# KiCad board LR312.kicad_pcb (continued)
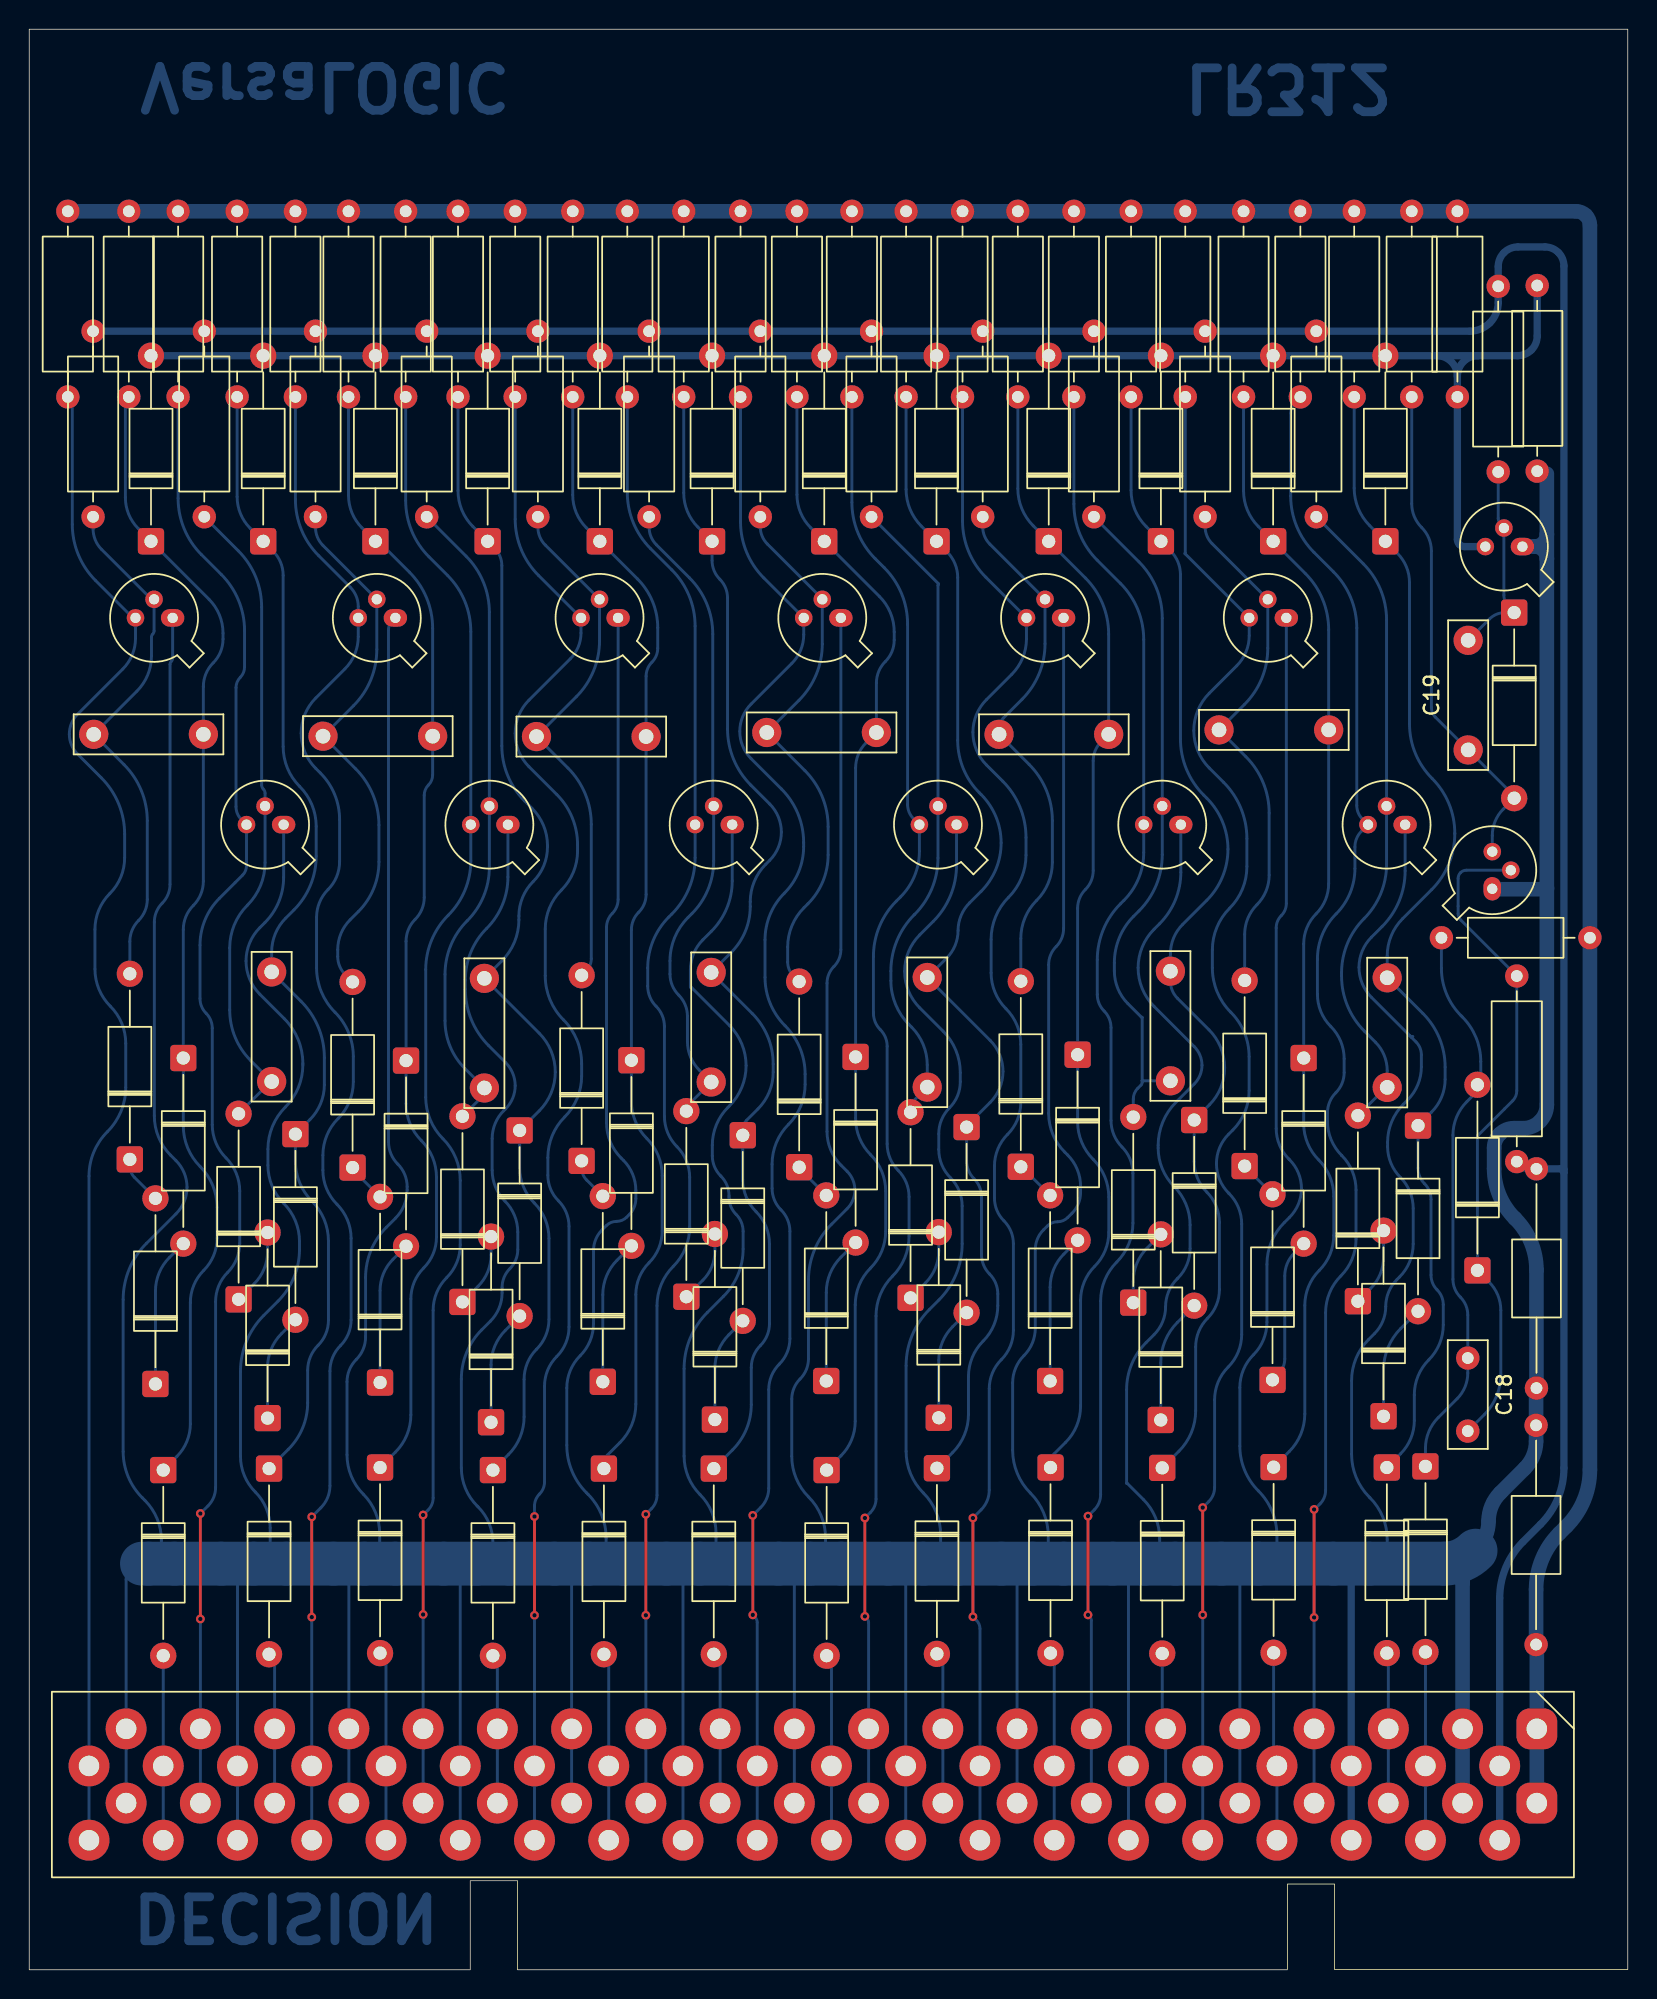
[diagram p0: board, top side]
## Routing (per net, layer and track width the routed paths; a pad name or vN(x,y) marks a point on that pad's centre or on a via; arc(x,y) is an arc through that point)
+6V: length 218.4
  Bottom w0.5: 105,54.56 105,34.33 arc(104.59,32.25) 103.41,30.49 102.2,29.28 arc(101.02,27.51) 100.61,25.43 J1.2 J1.2 ; 105,54.56 105,54.76 ; 105,54.56 arc(104.99,54.65) 104.93,54.73 ; R2.1 R14.1 R5.1 R17.1 R20.1 R23.1 R26.1 R29.1 R32.1 R35.1 R38.1 R41.1 98.56,112.12 arc(99.3,112.26) 99.94,112.69 arc(100.36,113.32) 100.51,114.07 R48.1 100.51,116.54 arc(100.61,117.05) 100.9,117.49 arc(101.34,117.78) 101.85,117.88 103.7,117.88 arc(104.2,117.78) 104.62,117.5 arc(104.9,117.08) 105,116.58 105,54.76 ; 105,54.76 arc(104.98,54.72) 104.93,54.73 ; R45.2 102.02,55.05 arc(102.3,54.87) 102.62,54.8 104.76,54.8 arc(104.86,54.78) 104.93,54.73
-12V: length 213.7
  Bottom w1: J1.1 J1.1 103.15,22.16 arc(103.14,22.2) 103.12,22.22 arc(103.11,22.25) 103.1,22.29 103.1,26.02 arc(103.51,28.1) 104.69,29.86 105.19,30.36 arc(106.37,32.12) 106.78,34.21 R44.1 106.78,119.37 arc(106.71,119.73) 106.5,120.04 arc(106.19,120.25) 105.83,120.32 R49.1 R46.2 R40.2 R42.2 R37.2 R39.2 R34.2 R36.2 R31.2 R33.2 R28.2 R30.2 R25.2 R27.2 R22.2 R24.2 R19.2 R21.2 R16.2 R18.2 R4.2 R6.2 R13.2 R15.2 R3.2 R1.2
GND: length 1163.5
  Bottom w0.2: Q7.1 55.53,69.79 arc(55.41,69.17) 55.06,68.65 arc(54.71,68.12) 54.58,67.5 54.58,57.35 arc(54.83,56.11) 55.54,55.05 55.96,54.63 arc(56.35,54.04) 56.49,53.35 arc(56.35,52.66) 55.96,52.07 54.9,51.02 arc(53.73,49.26) 53.31,47.18 53.31,41.8 arc(53.17,41.06) 52.74,40.42 arc(52.32,39.79) 52.17,39.04 52.17,35.14 arc(52.47,33.63) 53.33,32.35 arc(54.18,31.07) 54.48,29.56 54.48,28.85 arc(54.8,28.1) 55.55,27.79 ; 94.46,63.91 91.84,66.53 arc(91.2,67.48) 90.98,68.59 arc(91.2,69.71) 91.84,70.65 92.56,71.38 arc(93.73,73.13) 94.14,75.19 Q12.1 ; 94.46,63.91 94.57,63.8 ; 94.46,63.91 arc(94.52,63.87) 94.59,63.86 ; Q2.1 17.41,74.75 arc(17.07,73.07) 16.12,71.64 15.78,71.3 arc(15.08,70.26) 14.83,69.02 arc(15.08,67.79) 15.78,66.75 17.45,65.07 arc(18.39,63.67) 18.72,62.01 18.72,61.91 arc(18.41,60.35) 17.53,59.03 arc(16.64,57.71) 16.33,56.15 16.33,55.04 arc(16.61,53.63) 17.41,52.44 arc(18.21,51.24) 18.49,49.83 18.49,49.29 arc(18.11,47.38) 17.03,45.75 16.05,44.77 arc(14.87,43.01) 14.45,40.93 14.45,35.14 arc(14.72,33.82) 15.47,32.69 arc(16.22,31.56) 16.48,30.24 16.48,28.91 arc(16.81,28.11) 17.6,27.79 ; Q11.1 86.01,72.96 arc(85.92,72.51) 85.66,72.13 arc(85.41,71.74) 85.32,71.29 85.32,57.56 arc(85.54,56.43) 86.18,55.47 86.23,55.43 arc(86.83,54.52) 87.05,53.45 arc(86.83,52.39) 86.23,51.48 85.86,51.12 arc(84.99,49.81) 84.68,48.27 84.68,44.31 arc(84.44,43.1) 83.76,42.08 arc(83.07,41.05) 82.83,39.84 82.83,35.83 arc(83.16,34.17) 84.1,32.77 arc(85.04,31.36) 85.37,29.7 85.37,29.06 arc(85.74,28.16) 86.64,27.79 ; J1.39 J1.39 6.63,26.7 arc(6.71,27.12) 6.95,27.47 ; 94.57,63.8 94.88,63.49 arc(95.15,63.08) 95.25,62.6 95.25,61.79 arc(95,60.55) 94.31,59.51 94.02,59.22 arc(93.22,58.02) 92.94,56.62 92.94,56.33 arc(93.17,55.19) 93.81,54.22 arc(94.46,53.25) 94.69,52.1 94.69,49.67 arc(94.45,48.44) 93.75,47.4 93.57,47.22 arc(93.01,46.37) 92.81,45.38 arc(92.61,44.38) 92.05,43.53 91.64,43.13 arc(90.78,41.84) 90.47,40.31 90.47,35.28 arc(90.79,33.68) 91.69,32.33 91.74,32.29 arc(92.61,30.99) 92.91,29.45 92.91,29.02 arc(93.27,28.15) 94.15,27.79 ; 94.57,63.8 arc(94.56,63.84) 94.59,63.86 ; J1.36 J1.36 14.25,26.67 arc(13.92,27.46) 13.13,27.79 ; J1.21 J1.21 52.35,26.72 arc(52.04,27.48) 51.28,27.79 ; J1.30 J1.30 29.49,26.67 arc(29.16,27.46) 28.37,27.79 ; J1.12 J1.12 75.21,26.72 arc(74.9,27.48) 74.14,27.79 ; Q3.1 24.82,92.26 arc(24.64,92) 24.58,91.7 24.58,56.66 arc(24.75,55.83) 25.22,55.12 arc(25.69,54.41) 25.86,53.58 25.86,53.35 arc(25.65,52.31) 25.06,51.42 24.43,50.8 arc(23.38,49.22) 23.01,47.37 23.01,43.29 arc(22.85,42.46) 22.38,41.76 arc(21.91,41.05) 21.74,40.22 21.74,35.24 arc(22.03,33.78) 22.86,32.54 arc(23.69,31.3) 23.98,29.84 23.98,28.84 arc(24.29,28.1) 25.03,27.79 ; 94.59,63.86 94.67,63.86 ; J1.9 J1.9 82.83,26.52 arc(82.46,27.42) 81.56,27.79 ; J1.18 J1.18 59.97,26.59 arc(59.62,27.44) 58.78,27.79 ; J1.24 J1.24 44.73,26.66 arc(44.4,27.46) 43.6,27.79 ; J1.33 J1.33 21.87,26.73 arc(21.56,27.48) 20.82,27.79 ; 9.81,92.32 9.81,89.74 arc(9.79,89.63) 9.72,89.53 arc(9.66,89.43) 9.63,89.31 9.63,74.27 arc(9.49,73.57) 9.1,72.98 arc(8.7,72.38) 8.56,71.68 8.56,58.43 arc(8.85,56.97) 9.68,55.73 10.04,55.36 arc(10.6,54.53) 10.8,53.54 arc(10.6,52.56) 10.04,51.72 8.02,49.7 arc(6.84,47.94) 6.43,45.85 6.43,35.45 arc(6.77,33.75) 7.73,32.3 7.91,32.12 arc(8.75,30.87) 9.04,29.39 9.04,28.68 arc(9.3,28.05) 9.93,27.79 ; Q5.1 40.29,73.24 arc(40.19,72.72) 39.89,72.28 arc(39.6,71.84) 39.5,71.32 39.5,57.96 arc(39.76,56.65) 40.5,55.54 40.65,55.39 arc(41.28,54.44) 41.5,53.33 41.5,52.77 arc(41.38,52.17) 41.05,51.66 40.88,51.49 arc(40.56,51.28) 40.18,51.21 arc(39.81,51.13) 39.49,50.92 39.19,50.62 arc(38.76,49.98) 38.61,49.21 38.61,44.22 arc(38.37,43.02) 37.69,42.01 arc(37.02,41) 36.78,39.8 36.78,35.89 arc(37.13,34.13) 38.13,32.64 38.23,32.53 arc(39.15,31.16) 39.47,29.54 39.47,28.97 arc(39.82,28.13) 40.65,27.79 ; Q8.1 63.45,75.58 arc(63.03,73.5) 61.85,71.73 60.93,70.81 arc(60.16,69.66) 59.89,68.31 arc(60.16,66.96) 60.93,65.82 62.53,64.22 arc(63.4,62.92) 63.7,61.38 63.7,60.76 arc(63.51,59.79) 62.97,58.98 arc(62.42,58.16) 62.23,57.2 62.23,56.12 arc(62.44,55.08) 63.03,54.19 arc(63.62,53.3) 63.83,52.26 63.83,49.67 arc(63.42,47.59) 62.24,45.82 61.59,45.18 arc(60.41,43.41) 59.99,41.33 59.99,35.48 arc(60.3,33.93) 61.18,32.63 arc(62.05,31.32) 62.36,29.77 62.36,28.98 arc(62.71,28.14) 63.55,27.79 ; Q9.1 70.77,71.24 arc(70.64,70.57) 70.26,70.01 arc(69.88,69.44) 69.75,68.77 69.75,58.59 arc(70.03,57.17) 70.84,55.96 71.04,55.75 arc(71.7,54.77) 71.93,53.61 71.93,53.18 arc(71.78,52.41) 71.35,51.77 71.05,51.47 arc(70.73,51.26) 70.36,51.18 arc(69.98,51.11) 69.66,50.89 69.39,50.62 arc(68.98,50) 68.83,49.27 68.83,43.89 arc(68.63,42.88) 68.06,42.02 arc(67.49,41.17) 67.28,40.15 67.28,35.56 arc(67.6,33.96) 68.5,32.61 arc(69.41,31.26) 69.72,29.67 69.72,28.85 arc(70.04,28.1) 70.79,27.79 ; Q10.1 78.79,75.09 arc(78.41,73.18) 77.33,71.57 76.97,71.2 arc(76.15,69.99) 75.87,68.55 arc(76.15,67.12) 76.97,65.91 79.71,63.17 arc(80.1,62.58) 80.24,61.89 arc(80.1,61.19) 79.71,60.61 78.46,59.36 arc(77.56,58.01) 77.24,56.41 77.24,56.23 arc(77.53,54.8) 78.33,53.59 arc(79.14,52.38) 79.43,50.96 79.43,49.34 arc(79.21,48.25) 78.59,47.32 78.54,47.27 arc(77.95,46.4) 77.75,45.36 arc(77.54,44.33) 76.96,43.46 76.42,42.91 arc(75.43,41.44) 75.08,39.69 75.08,33.3 arc(75.09,33.28) 75.11,33.27 arc(75.13,33.27) 75.15,33.26 76.24,32.17 arc(77.06,30.95) 77.34,29.5 77.34,28.85 arc(77.66,28.1) 78.41,27.79 ; Q4.1 32.75,74.77 arc(32.37,72.86) 31.3,71.25 arc(30.22,69.64) 29.84,67.73 29.84,67.08 arc(30.25,65) 31.43,63.23 32.59,62.07 arc(33.08,61.35) 33.25,60.49 arc(33.08,59.63) 32.59,58.91 32.46,58.78 arc(31.88,57.9) 31.67,56.87 31.67,54.71 arc(31.9,53.56) 32.55,52.59 arc(33.2,51.62) 33.43,50.48 33.43,49.27 arc(33.29,48.57) 32.89,47.98 arc(32.49,47.38) 32.35,46.68 32.35,46.31 arc(32.14,45.27) 31.55,44.38 30.96,43.79 arc(29.93,42.24) 29.57,40.42 29.57,34.34 arc(29.85,32.93) 30.65,31.74 30.71,31.67 arc(31.46,30.55) 31.72,29.22 31.72,28.91 arc(32.05,28.11) 32.84,27.79 ; J1.27 J1.27 37.11,26.61 arc(36.76,27.44) 35.93,27.79 ; Q6.1 48.1,74.51 arc(47.73,72.64) 46.67,71.05 46.09,70.47 arc(45.46,69.53) 45.24,68.41 45.24,67.25 arc(45.25,67.22) 45.28,67.21 arc(45.31,67.2) 45.34,67.18 47.91,64.62 arc(48.75,63.35) 49.05,61.86 arc(48.75,60.37) 47.91,59.11 47.81,59.02 arc(47.02,57.82) 46.74,56.41 46.74,55.7 arc(46.88,54.95) 47.31,54.32 47.32,54.3 arc(47.73,53.69) 47.88,52.96 47.88,52.85 arc(48,52.22) 48.36,51.69 arc(48.72,51.15) 48.84,50.52 48.84,49.31 arc(48.5,47.57) 47.51,46.08 46.4,44.98 arc(45.22,43.21) 44.81,41.13 44.81,35.15 arc(45.09,33.72) 45.9,32.51 arc(46.71,31.3) 46.99,29.88 46.99,28.92 arc(47.32,28.12) 48.12,27.79 ; J1.15 J1.15 67.59,26.72 arc(67.28,27.48) 66.52,27.79
  Bottom w0.5: J1.6 J1.6 90.45,26.56 arc(90.09,27.43) 89.22,27.79
  Bottom w1: 103.84,98.22 103.84,102.36 ; 103.84,98.22 103.84,96.55 ; 103.84,98.22 arc(103.59,97.63) 103,97.38 ; 103.84,74.03 103.84,73.95 ; 103.84,74.03 103.84,96.55 ; 103.84,74.03 arc(103.83,73.99) 103.81,73.96 ; 103.84,73.95 103.84,59.19 arc(103.71,58.57) 103.37,58.05 arc(102.84,57.7) 102.23,57.58 101.57,57.58 arc(101.06,57.48) 100.62,57.19 arc(100.33,56.75) 100.23,56.24 100.23,54.81 arc(100.59,52.98) 101.63,51.43 101.68,51.38 arc(102.75,49.78) 103.12,47.89 103.12,39.82 arc(103.12,39.8) 103.11,39.79 arc(103.1,39.78) 103.1,39.76 C1.1 103.1,36.16 arc(102.9,35.16) 102.33,34.31 100.65,32.63 arc(100.06,31.74) 99.85,30.7 arc(99.64,29.65) 99.05,28.77 98.96,28.68 arc(98.3,27.69) 98.07,26.53 ; 103.84,73.95 arc(103.83,73.97) 103.81,73.96 ; Q13.1 102.17,97.38 arc(102.17,97.38) 102.18,97.38 103,97.38 ; 98.07,26.53 J1.3 J1.3 ; 98.07,26.53 arc(97.7,27.42) 96.81,27.79 ; 103,97.38 arc(103.59,97.14) 103.84,96.55 ; Q14.1 100.12,73.95 arc(100.13,73.94) 100.15,73.93 103.74,73.93 arc(103.78,73.94) 103.81,73.96
  Bottom w3: 7.71,27.79 96.81,27.79 arc(97.97,28.02) 98.96,28.68
EN_BUS: length 116.9
  Bottom w0.5: R50.2 103.17,111.78 arc(103.07,111.27) 102.78,110.83 arc(102.35,110.54) 101.83,110.44 99.12,110.44 ; 96.3,110.44 D67.2 D22.2 D5.2 ; 96.3,110.44 99.12,110.44 ; 96.3,110.44 arc(97.3,110.03) 97.71,109.03 ; 99.12,110.44 arc(98.13,110.03) 97.71,109.03 ; Q13.3 98.2,97.38 arc(98.02,97.41) 97.86,97.52 arc(97.75,97.68) 97.71,97.87 R49.2 97.71,109.03
J1-4: length 12.9
  Bottom w0.2: J1.4 J1.4 D14.2
J1-5: length 10.3
  Bottom w0.2: D66.2 92.94,21.62 arc(92.98,21.56) 92.99,21.49 J1.5 J1.5
J1-7: length 101
  Top w0.2: v1(87.91,31.5) v1(87.91,24.1)
  Bottom w0.2: R42.1 86.64,107.29 arc(86.4,106.92) 86.31,106.49 86.31,100.83 arc(86.72,98.75) 87.9,96.98 89.24,95.65 arc(90.42,93.88) 90.83,91.8 90.83,79.66 arc(90.93,79.16) 91.21,78.74 arc(91.37,78.35) 91.21,77.97 91.15,77.9 arc(90.82,77.41) 90.7,76.82 90.7,75.35 arc(90.37,73.67) 89.42,72.25 arc(88.47,70.83) 88.14,69.15 88.14,66.75 arc(88.38,65.55) 89.05,64.54 arc(89.73,63.53) 89.97,62.33 89.97,61.39 arc(89.82,60.64) 89.4,60.01 arc(88.97,59.37) 88.82,58.63 88.82,58.06 arc(89.08,56.8) 89.79,55.72 89.8,55.71 arc(90.53,54.63) 90.78,53.35 90.78,49.99 arc(90.51,48.63) 89.74,47.47 arc(88.97,46.32) 88.7,44.96 88.7,32.8 arc(88.6,32.3) 88.32,31.88 87.94,31.5 arc(87.93,31.5) 87.92,31.5 v1(87.91,31.5) ; v1(87.91,24.1) J1.7 J1.7
J1-8: length 12.9
  Bottom w0.2: D61.2 85.14,14.33 arc(85.17,14.19) 85.26,14.06 arc(85.34,13.93) 85.37,13.78 J1.8
J1-10: length 106.2
  Top w0.2: v1(80.29,24.28) v1(80.29,31.62)
  Bottom w0.2: R39.1 79.1,96.94 arc(79.09,96.93) 79.08,96.91 arc(79.08,96.9) 79.08,96.89 Q11.3 83.47,91.29 arc(83.25,90.17) 82.61,89.22 80.74,87.34 arc(79.96,86.17) 79.68,84.79 arc(79.96,83.4) 80.74,82.23 81.72,81.25 arc(82.9,79.48) 83.31,77.4 83.31,75.48 arc(83.01,73.94) 82.13,72.63 arc(81.26,71.32) 80.95,69.78 80.95,68.55 arc(81.28,66.91) 82.21,65.52 arc(83.14,64.13) 83.46,62.48 83.46,60.15 arc(83.17,58.69) 82.35,57.45 82.06,57.17 arc(81.45,56.25) 81.23,55.16 arc(81.45,54.06) 82.06,53.14 82.09,53.11 arc(82.73,52.15) 82.96,51.03 82.96,43.48 arc(82.72,42.26) 82.03,41.24 arc(81.34,40.21) 81.1,39 81.1,33.01 arc(81,32.48) 80.7,32.03 v1(80.29,31.62) ; J1.10 J1.10 v1(80.29,24.28)
J1-11: length 10.3
  Bottom w0.2: J1.11 77.75,16.52 arc(77.74,16.56) 77.72,16.59 77.64,16.68 arc(77.55,16.8) 77.52,16.95 D56.2
J1-13: length 100.2
  Top w0.2: v1(72.44,24.28) v1(72.44,31.04)
  Bottom w0.2: v1(72.44,31.04) 72.87,31.47 arc(73.19,31.95) 73.3,32.51 73.3,45.76 arc(73.59,47.2) 74.41,48.43 arc(75.23,49.65) 75.51,51.09 75.51,54.49 arc(75.32,55.47) 74.76,56.3 arc(74.21,57.13) 74.02,58.11 74.02,64.46 arc(73.89,65.08) 73.55,65.6 arc(73.2,66.12) 73.08,66.73 73.08,69.1 arc(73.49,71.18) 74.66,72.94 74.9,73.17 arc(75.9,74.67) 76.25,76.44 Q10.3 76.25,91.01 arc(75.84,93.1) 74.66,94.86 73.07,96.45 arc(71.89,98.22) 71.48,100.3 R36.1 ; J1.13 J1.13 72.67,23.89 arc(72.64,24.04) 72.56,24.17 v1(72.44,24.28)
J1-14: length 12.9
  Bottom w0.2: J1.14 J1.14 70.13,21.23 arc(70.1,21.4) 70,21.54 D51.2
J1-16: length 105.7
  Top w0.2: v1(64.57,24.16) v1(64.57,30.91)
  Bottom w0.2: R33.1 63.86,99.13 arc(64.27,97.05) 65.45,95.28 Q9.3 68.23,91.07 arc(67.97,89.75) 67.22,88.63 65.49,86.9 arc(64.81,85.88) 64.57,84.67 arc(64.81,83.46) 65.49,82.44 66.61,81.32 arc(67.78,79.56) 68.2,77.48 68.2,76.26 arc(67.89,74.7) 67.01,73.38 arc(66.12,72.06) 65.81,70.5 65.81,68.21 arc(66.08,66.89) 66.83,65.76 arc(67.58,64.64) 67.84,63.31 67.84,59.34 arc(67.61,58.16) 66.94,57.16 arc(66.27,56.16) 66.04,54.99 66.04,52.81 arc(66.21,51.96) 66.69,51.24 arc(67.17,50.53) 67.34,49.68 67.34,43.74 arc(67.12,42.66) 66.51,41.74 arc(65.9,40.83) 65.68,39.75 65.68,32.82 arc(65.54,32.09) 65.13,31.47 v1(64.57,30.91) ; J1.16 J1.16 65.05,23.33 arc(64.99,23.65) 64.81,23.91 v1(64.57,24.16)
J1-17: length 10.3
  Bottom w0.2: D46.2 62.31,21.41 arc(62.46,21.19) 62.51,20.92 J1.17 J1.17
J1-19: length 100
  Top w0.2: v1(57.18,24.18) v1(57.18,30.91)
  Bottom w0.2: v1(57.18,24.18) 57.3,24.05 arc(57.4,23.91) 57.43,23.75 J1.19 J1.19 ; v1(57.18,30.91) 57.56,31.29 arc(57.84,31.71) 57.94,32.21 57.94,44.73 arc(58.23,46.21) 59.07,47.46 arc(59.9,48.71) 60.2,50.19 60.2,52.89 arc(60,53.87) 59.45,54.7 arc(58.89,55.53) 58.7,56.51 58.7,63.19 arc(58.58,63.81) 58.23,64.33 arc(57.88,64.85) 57.76,65.46 57.76,69.33 arc(58.17,71.38) 59.33,73.12 59.61,73.41 arc(60.57,74.84) 60.91,76.53 60.91,77.78 arc(60.8,78.31) 60.5,78.76 arc(60.2,79.21) 60.1,79.73 60.1,92.08 arc(59.68,94.16) 58.5,95.93 57.88,96.55 arc(56.7,98.32) 56.29,100.4 R30.1
J1-20: length 12.7
  Bottom w0.2: J1.20 J1.20 54.89,20.92 arc(54.85,21.14) 54.72,21.32 D41.2
J1-22: length 106.6
  Top w0.2: v1(49.5,24.28) v1(49.5,31.09)
  Bottom w0.2: J1.22 J1.22 49.81,23.76 arc(49.77,23.96) 49.66,24.13 v1(49.5,24.28) ; R27.1 48.67,99.08 arc(49.08,97) 50.26,95.23 Q7.3 52.99,91.35 arc(52.78,90.29) 52.18,89.39 49.39,86.6 arc(48.82,85.74) 48.62,84.73 arc(48.82,83.73) 49.39,82.87 51.47,80.79 arc(52.59,79.11) 52.98,77.13 52.98,76.85 arc(52.64,75.12) 51.66,73.66 arc(50.69,72.2) 50.34,70.47 50.34,67.9 arc(50.7,66.11) 51.71,64.59 arc(52.73,63.07) 53.09,61.28 53.09,60.58 arc(52.79,59.1) 51.96,57.85 arc(51.12,56.6) 50.83,55.12 50.83,53.47 arc(50.98,52.67) 51.44,51.99 arc(51.89,51.32) 52.04,50.52 52.04,43.19 arc(51.86,42.24) 51.32,41.44 arc(50.78,40.64) 50.6,39.69 50.6,32.95 arc(50.45,32.24) 50.05,31.64 v1(49.5,31.09)
J1-23: length 10.3
  Bottom w0.2: D36.2 47.05,21.37 arc(47.21,21.13) 47.27,20.85 J1.23 J1.23
J1-25: length 100.2
  Top w0.2: v1(42.19,24.26) v1(42.19,31.17)
  Bottom w0.2: v1(42.19,24.26) J1.25 J1.25 ; R24.1 40.92,101.09 arc(41.33,99) 42.51,97.24 43.97,95.79 arc(45.14,94.02) 45.56,91.94 Q6.3 45.56,76.08 arc(45.14,74) 43.97,72.24 43.76,72.03 arc(42.69,70.43) 42.32,68.54 42.32,67.31 arc(42.46,66.56) 42.89,65.93 arc(43.31,65.29) 43.46,64.55 43.46,58.4 arc(43.68,57.27) 44.32,56.31 arc(44.96,55.36) 45.19,54.23 45.19,50.83 arc(44.9,49.37) 44.07,48.13 arc(43.24,46.9) 42.95,45.43 42.95,32.47 arc(42.85,31.97) 42.57,31.55 v1(42.19,31.17)
J1-26: length 12.8
  Bottom w0.2: J1.26 J1.26 39.65,21.03 arc(39.61,21.24) 39.48,21.42 D31.2
J1-28: length 106.3
  Top w0.2: v1(34.57,31.01) v1(34.57,24.26)
  Bottom w0.2: R21.1 33.25,99.26 arc(33.66,97.17) 34.84,95.41 Q5.3 37.75,91.47 arc(37.56,90.51) 37.02,89.7 34.19,86.87 arc(33.49,85.83) 33.25,84.59 arc(33.49,83.36) 34.19,82.32 36.1,80.41 arc(37.15,78.84) 37.52,76.99 37.52,76.54 arc(37.23,75.1) 36.41,73.88 arc(35.59,72.65) 35.31,71.21 35.31,68 arc(35.63,66.38) 36.55,65 arc(37.47,63.62) 37.8,61.99 37.8,61.15 arc(37.49,59.64) 36.64,58.36 arc(35.78,57.08) 35.48,55.57 35.48,54.36 arc(35.67,53.42) 36.21,52.62 arc(36.74,51.81) 36.93,50.87 36.93,43.98 arc(36.71,42.89) 36.09,41.96 arc(35.47,41.03) 35.26,39.94 35.26,33.38 arc(35.17,32.93) 34.91,32.55 arc(34.66,32.17) 34.57,31.72 v1(34.57,31.01) ; v1(34.57,24.26) J1.28 J1.28
J1-29: length 10.2
  Bottom w0.2: J1.29 J1.29 32.03,20.97 arc(31.99,21.17) 31.88,21.34 D26.2
J1-31: length 99.8
  Top w0.2: v1(26.95,24.31) v1(26.95,31.11)
  Bottom w0.2: J1.31 J1.31 v1(26.95,24.31) ; R18.1 25.76,100.53 arc(26.17,98.44) 27.35,96.68 28.62,95.41 arc(29.8,93.64) 30.21,91.56 Q4.3 30.21,75.88 arc(29.81,73.86) 28.67,72.15 arc(27.53,70.45) 27.13,68.43 27.13,59.71 arc(27.43,58.17) 28.31,56.86 arc(29.18,55.55) 29.49,54.01 29.49,49.6 arc(29.25,48.39) 28.56,47.36 arc(27.88,46.33) 27.64,45.12 27.64,32.29 arc(27.55,31.84) 27.29,31.46 v1(26.95,31.11)
J1-32: length 12.9
  Bottom w0.2: J1.32 J1.32 24.41,20.97 arc(24.36,21.24) 24.21,21.46 D6.2
J1-34: length 105.3
  Top w0.2: v1(19.33,30.99) v1(19.33,24.13)
  Bottom w0.2: R6.1 18.21,100.6 arc(18.63,98.52) 19.81,96.76 21.96,94.6 arc(22.37,93.99) 22.51,93.27 Q3.3 22.51,91.21 arc(22.27,90.02) 21.6,89.01 19.6,87.01 arc(18.86,85.91) 18.61,84.61 arc(18.86,83.31) 19.6,82.2 19.92,81.88 arc(20.89,80.43) 21.23,78.71 21.23,75.81 arc(21.03,74.79) 20.45,73.91 arc(19.86,73.04) 19.66,72.01 19.66,68.55 arc(19.99,66.91) 20.92,65.52 arc(21.85,64.13) 22.17,62.48 22.17,60.76 arc(21.9,59.4) 21.13,58.24 arc(20.36,57.09) 20.09,55.73 20.09,54.7 arc(20.34,53.44) 21.06,52.37 arc(21.77,51.31) 22.02,50.04 22.02,44.46 arc(21.83,43.51) 21.3,42.71 arc(20.76,41.91) 20.57,40.96 20.57,33.11 arc(20.41,32.3) 19.95,31.61 v1(19.33,30.99) ; v1(19.33,24.13) J1.34 J1.34
J1-35: length 10.3
  Bottom w0.2: J1.35 J1.35 16.79,20.94 arc(16.74,21.19) 16.6,21.4 D21.2
J1-37: length 100.6
  Top w0.2: v1(11.71,24) v1(11.71,31.22)
  Bottom w0.2: v1(11.71,24) J1.37 J1.37 ; v1(11.71,31.22) 12.23,31.74 arc(12.62,32.31) 12.75,32.99 12.75,45.72 arc(12.97,46.8) 13.58,47.71 arc(14.19,48.63) 14.4,49.71 14.4,53.28 arc(14.16,54.51) 13.46,55.55 arc(12.77,56.59) 12.52,57.82 12.52,64.43 arc(12.41,64.98) 12.1,65.44 arc(11.79,65.91) 11.68,66.45 11.68,70.11 arc(12.03,71.84) 13.01,73.31 14.6,74.9 arc(14.8,75.19) 14.87,75.54 Q2.3 14.51,78.71 arc(14.24,79.11) 14.15,79.58 14.15,87.72 arc(14.22,88.11) 14.44,88.43 arc(14.66,88.75) 14.73,89.14 14.73,91.62 arc(14.32,93.71) 13.14,95.47 11.78,96.83 arc(10.6,98.6) 10.19,100.68 R15.1
J1-38: length 12.6
  Bottom w0.2: J1.38 J1.38 D4.2
J1-40: length 105
  Bottom w0.2: 2.95,107.62 2.95,98.9 arc(3.36,96.82) 4.54,95.05 7.27,92.32 7.27,91.1 arc(7.05,89.97) 6.4,89.01 3.31,85.91 arc(2.89,85.28) 2.74,84.54 arc(2.89,83.8) 3.31,83.18 4.93,81.55 arc(6.11,79.79) 6.53,77.71 6.53,76.09 arc(6.26,74.76) 5.51,73.63 arc(4.76,72.51) 4.5,71.18 4.5,68.47 arc(4.77,67.09) 5.55,65.93 arc(6.33,64.76) 6.6,63.38 6.6,60.38 arc(6.28,58.73) 5.35,57.34 arc(4.42,55.95) 4.09,54.31 J1.40 J1.40
Net-(D1-A): length 36.1
  Bottom w0.2: D1.2 6.88,70.35 arc(7.04,71.13) 7.48,71.79 arc(7.92,72.45) 8.08,73.23 8.08,78.61 arc(7.66,80.7) 6.48,82.46 C4.1 7.37,87.48 arc(8.1,88.59) 8.36,89.89 8.36,91.18 arc(8.39,91.3) 8.45,91.39 arc(8.52,91.49) 8.54,91.61 8.54,93.59 4.95,97.18 arc(4.52,97.83) 4.37,98.59 R2.2
Net-(D1-K): length 3.3
  Bottom w0.2: D2.2 7.21,54.21 arc(6.97,54.57) 6.88,54.99 D1.1
Net-(D2-K): length 10.3
  Bottom w0.2: D3.2 9.59,48.73 arc(8.88,47.67) 8.64,46.43 D2.1
Net-(D3-K): length 77.8
  Bottom w0.2: D4.1 10.1,35.12 arc(10.78,36.14) 11.02,37.35 11.02,45.65 arc(11.26,46.84) 11.94,47.85 arc(12.61,48.87) 12.85,50.06 12.85,52.16 arc(12.55,53.67) 11.7,54.95 arc(10.84,56.23) 10.54,57.74 D3.1 10.54,71.17 arc(10.72,72.06) 11.23,72.82 arc(11.73,73.58) 11.91,74.48 C4.2 11.91,87.8 arc(12.09,88.68) 12.59,89.42 arc(13.08,90.17) 13.26,91.05 13.26,91.45 arc(13.01,92.71) 12.3,93.77 D5.1 7.45,98.62 arc(6.81,99.59) 6.58,100.73 6.58,107.01
Net-(D6-K): length 77.6
  Bottom w0.2: R4.1 21.84,100.88 arc(22.08,99.68) 22.77,98.66 23.61,97.82 arc(23.69,97.76) 23.79,97.74 arc(23.89,97.72) 23.98,97.66 26.01,95.63 arc(27.19,93.87) 27.6,91.79 C3.2 27.6,81.75 arc(27.53,81.38) 27.31,81.06 arc(27.1,80.74) 27.03,80.37 27.03,73.37 arc(26.86,72.56) 26.4,71.87 arc(25.94,71.18) 25.78,70.37 D8.1 25.78,59.26 arc(26.05,57.9) 26.82,56.74 arc(27.59,55.59) 27.86,54.23 27.86,50.13 arc(27.64,48.99) 26.99,48.02 arc(26.34,47.05) 26.11,45.9 26.11,37.97 arc(25.84,36.59) 25.06,35.42 D6.1
Net-(D8-A): length 9.9
  Bottom w0.2: D9.1 24,46.47 arc(24.23,47.63) 24.89,48.62 D8.2
Net-(D10-A): length 37.3
  Bottom w0.2: R5.2 19.59,98.69 arc(19.72,98.02) 20.1,97.45 Q3.2 23.78,90.34 arc(23.37,88.26) 22.19,86.49 C3.1 22.33,82.17 arc(23.51,80.41) 23.93,78.32 23.93,75.81 arc(23.56,73.96) 22.52,72.4 21.95,71.84 arc(21.33,70.9) 21.11,69.8 21.11,69.32 arc(21.24,68.66) 21.62,68.1 D10.2
Net-(D10-K): length 2.8
  Bottom w0.2: D9.2 22.17,54.72 arc(22.14,54.77) 22.12,54.83 D10.1
Net-(D11-A): length 34.3
  Bottom w0.2: Q14.3 100.1,77.6 arc(100.3,78.58) 100.85,79.41 101.55,80.11 arc(101.59,80.17) 101.6,80.24 arc(101.59,80.31) 101.55,80.37 C19.1 96.21,85.71 arc(96.01,86.01) 95.94,86.36 95.94,97.07 arc(95.76,97.95) 95.26,98.69 arc(94.76,99.44) 94.59,100.32 R46.1
Net-(D11-K): length 13.3
  Bottom w0.2: C19.2 99.91,92.42 arc(100.4,92.75) 100.97,92.86 101.1,92.86 arc(101.29,92.99) 101.25,93.21 arc(100.99,93.6) 100.9,94.07 100.9,98.37 arc(100.85,98.63) 100.7,98.84 arc(100.56,99.06) 100.51,99.31 R48.2
Net-(D13-A): length 38.8
  Bottom w0.2: D14.1 95.53,35.67 arc(95.76,36.81) 96.4,37.78 97.7,39.08 arc(98.24,39.88) 98.43,40.83 C18.1 98.43,44.8 arc(98.29,45.46) 97.92,46.02 arc(97.54,46.59) 97.41,47.25 97.41,57.1 arc(97.66,58.34) 98.36,59.4 99.31,60.35 99.31,62.14 arc(98.98,63.8) 98.05,65.2 97.97,65.28 arc(96.97,66.77) 96.62,68.53 R44.2
Net-(D13-K): length 45.7
  Bottom w0.2: Q14.2 98.33,75.23 arc(98.11,75.19) 97.93,75.07 arc(97.81,74.89) 97.76,74.67 97.76,72.26 arc(97.81,72.03) 97.94,71.83 R45.1 101.78,60.14 arc(101.71,59.77) 101.5,59.46 99.12,57.08 arc(99.11,57.08) 99.1,57.07 arc(99.09,57.07) 99.09,57.06 99.09,48.99 arc(99.29,47.94) 99.89,47.05 arc(100.48,46.17) 100.69,45.12 100.69,40.71 arc(100.39,39.24) 99.56,37.99 C18.2
Net-(D21-K): length 79.7
  Bottom w0.2: R13.1 14.22,100.79 arc(14.46,99.62) 15.12,98.63 D22.1 16.69,97.06 arc(17.2,96.3) 17.37,95.41 17.37,83.69 arc(17.67,82.21) 18.5,80.96 arc(19.34,79.71) 19.63,78.23 19.63,76.2 arc(19.24,74.21) 18.11,72.52 17.55,71.95 arc(16.84,70.89) 16.59,69.63 C8.2 18.6,66.26 arc(19.78,64.5) 20.19,62.41 20.19,60.56 arc(19.94,59.26) 19.2,58.17 D23.1 18.21,55.32 arc(18.51,53.84) 19.34,52.59 arc(20.18,51.34) 20.47,49.86 20.47,44.44 arc(20.29,43.51) 19.76,42.72 arc(19.23,41.94) 19.05,41.01 19.05,38.8 arc(18.71,37.07) 17.73,35.61 D21.1
Net-(D23-A): length 7.4
  Bottom w0.2: D24.1 16.31,41.22 arc(16.55,42.47) 17.26,43.52 D23.2
Net-(D24-A): length 5.3
  Bottom w0.2: D25.1 15.39,46.94 arc(16.07,47.95) 16.31,49.15 D24.2
Net-(D25-A): length 44.9
  Bottom w0.2: D25.2 16.51,60.75 arc(16.53,60.77) 16.56,60.78 arc(16.57,60.78) 16.57,60.8 15.15,62.21 arc(14.09,63.8) 13.72,65.67 13.72,69.92 arc(14.03,71.5) 14.93,72.84 arc(15.82,74.18) 16.14,75.76 Q2.2 16.14,80.5 arc(16.11,80.65) 16.02,80.78 arc(15.93,80.91) 15.9,81.07 15.9,93.24 arc(15.49,95.32) 14.31,97.09 R14.2
Net-(D26-K): length 81.1
  Bottom w0.2: D26.1 32.79,35.26 arc(33.58,36.44) 33.86,37.83 33.86,40.4 arc(34.08,41.51) 34.71,42.46 arc(35.34,43.4) 35.56,44.51 35.56,50.04 arc(35.3,51.35) 34.56,52.46 arc(33.81,53.58) 33.55,54.89 D28.1 34.89,58.77 arc(35.71,59.99) 35.99,61.43 arc(35.71,62.86) 34.89,64.08 C9.2 32.34,69.03 arc(33.2,70.32) 33.5,71.84 33.5,72.1 arc(33.76,73.38) 34.48,74.46 arc(35.2,75.54) 35.46,76.82 35.46,76.92 arc(35.19,78.3) 34.41,79.46 33.9,79.97 arc(32.74,81.7) 32.33,83.74 32.33,96.08 arc(32.21,96.72) 31.85,97.25 D27.1 30.35,98.75 arc(29.6,99.88) 29.34,101.2 R16.1
Net-(D28-A): length 7.9
  Bottom w0.2: D29.1 31.6,41.39 arc(31.85,42.67) 32.58,43.75 D28.2
Net-(D29-A): length 5.1
  Bottom w0.2: D29.2 31.6,48.91 arc(31.37,47.75) 30.71,46.76 D30.1
Net-(D30-A): length 44.9
  Bottom w0.2: D30.2 30.98,59.74 arc(31.1,59.91) 31.14,60.11 arc(31.1,60.32) 30.98,60.49 29.79,61.68 arc(28.8,63.17) 28.45,64.93 28.45,68.11 arc(28.84,70.09) 29.97,71.77 arc(31.09,73.45) 31.48,75.44 Q4.2 31.48,92.87 arc(31.07,94.96) 29.89,96.72 R17.2
Net-(D31-K): length 77.6
  Bottom w0.2: D31.1 39.32,34.63 arc(39.38,34.95) 39.56,35.22 40.41,36.07 arc(41.22,37.28) 41.5,38.7 41.5,46.2 arc(41.74,47.38) 42.41,48.37 arc(43.07,49.37) 43.31,50.55 43.31,54.34 arc(43.03,55.72) 42.25,56.88 arc(41.47,58.05) 41.2,59.43 D33.1 41.2,71.14 arc(41.33,71.8) 41.7,72.36 arc(42.07,72.92) 42.21,73.58 C10.2 42.21,88.51 arc(42.31,89.03) 42.6,89.47 arc(42.9,89.91) 43,90.43 43,91.82 arc(42.64,93.63) 41.62,95.16 D32.1 38.11,98.67 arc(37.43,99.7) 37.19,100.91 R19.1
Net-(D33-A): length 10
  Bottom w0.2: D33.2 40.22,48.55 arc(39.5,47.47) 39.24,46.19 D34.1
Net-(D34-A): length 3
  Bottom w0.2: D34.2 38.14,54.04 arc(37.88,54.42) 37.8,54.86 D35.1
Net-(D35-A): length 36.1
  Bottom w0.2: D35.2 38.13,68.38 arc(38.37,68.74) 38.46,69.17 38.46,78.37 arc(38.04,80.46) 36.86,82.22 C10.1 37.43,87.1 arc(38.61,88.87) 39.02,90.95 Q5.2 35.31,97.48 arc(34.93,98.04) 34.8,98.7 R20.2
Net-(D36-K): length 80.9
  Bottom w0.2: R22.1 44.78,101.05 arc(45.03,99.78) 45.75,98.71 D37.1 46.72,96.42 arc(46.86,95.73) 47.25,95.14 arc(47.64,94.56) 47.78,93.87 47.78,84.91 arc(48.19,82.82) 49.37,81.06 50.66,79.77 arc(51.25,78.88) 51.46,77.84 arc(51.25,76.79) 50.66,75.91 50.4,75.64 arc(49.61,74.46) 49.33,73.07 49.33,72.75 arc(48.99,71.05) 48.04,69.62 C11.2 49.47,65.43 arc(50.53,63.84) 50.9,61.97 50.9,61.42 arc(50.63,60.06) 49.86,58.9 49.09,58.13 arc(48.89,57.83) 48.82,57.48 48.82,54.07 arc(49.06,52.88) 49.73,51.87 arc(50.41,50.85) 50.65,49.66 50.65,44.21 arc(50.49,43.4) 50.03,42.71 arc(49.56,42.02) 49.4,41.21 49.4,38.67 arc(49.07,36.99) 48.12,35.57 D36.1
Net-(D38-A): length 7.4
  Bottom w0.2: D38.2 47.87,43.45 arc(47.16,42.39) 46.91,41.15 D39.1
Net-(D39-A): length 5
  Bottom w0.2: D39.2 46.91,49.17 arc(46.7,48.09) 46.09,47.18 D40.1
Net-(D40-A): length 44.6
  Bottom w0.2: R23.2 42.41,98.71 arc(42.54,98.05) 42.91,97.5 45.17,95.24 arc(46.35,93.47) 46.77,91.39 46.77,79.73 arc(46.77,79.69) 46.8,79.65 arc(46.82,79.62) 46.83,79.58 46.83,75.87 arc(46.44,73.91) 45.33,72.26 45.07,71.99 arc(44.16,70.63) 43.84,69.02 43.84,68.13 arc(44,67.35) 44.44,66.69 arc(44.88,66.03) 45.03,65.25 45.03,63.52 arc(45.25,62.45) 45.85,61.55 C11.1 45.06,59.14 arc(44.98,59.03) 44.96,58.89 D40.2
Net-(D41-K): length 78.5
  Bottom w0.2: R25.1 52.53,100.93 arc(52.77,99.71) 53.46,98.67 D42.1 58.18,93.96 arc(58.92,92.85) 59.18,91.54 59.18,90.98 arc(59.02,90.18) 58.57,89.51 arc(58.12,88.83) 57.96,88.04 C12.2 57.25,83.95 arc(56.73,83.16) 56.54,82.23 D43.1 56.54,58.25 arc(56.81,56.91) 57.57,55.77 arc(58.33,54.63) 58.6,53.28 58.6,50.52 arc(58.33,49.16) 57.56,48.01 arc(56.79,46.85) 56.52,45.49 56.52,37.53 arc(56.26,36.25) 55.54,35.17 D41.1
Net-(D43-A): length 10.2
  Bottom w0.2: D43.2 55.54,48.76 arc(54.79,47.64) 54.53,46.33 D44.1
Net-(D44-A): length 2.7
  Bottom w0.2: D44.2 52.71,54.81 arc(52.69,54.84) 52.68,54.88 D45.1
Net-(D45-A): length 37.4
  Bottom w0.2: R26.2 50.02,98.73 arc(50.15,98.09) 50.51,97.55 54.25,93.8 arc(54.26,93.79) 54.26,93.78 54.26,90.71 arc(53.85,88.63) 52.67,86.86 C12.1 53.07,82.05 arc(54.25,80.29) 54.66,78.21 54.66,76.28 arc(54.3,74.47) 53.28,72.94 53.01,72.67 arc(52.18,71.43) 51.89,69.98 51.89,68.96 arc(51.99,68.44) 52.29,68.01 D45.2
Net-(D46-K): length 81.7
  Bottom w0.2: R28.1 59.99,101.29 arc(60.27,99.93) 61.04,98.78 D47.1 62.8,97.01 arc(63.34,96.21) 63.53,95.26 63.53,84.12 arc(63.91,82.18) 65.01,80.53 65.12,80.42 arc(66.14,78.9) 66.5,77.1 arc(66.14,75.31) 65.12,73.78 64.33,72.99 arc(63.75,72.13) 63.55,71.11 arc(63.35,70.09) 62.77,69.22 C13.2 65.74,63.59 arc(66.4,62.62) 66.62,61.47 arc(66.4,60.32) 65.74,59.34 64.16,57.76 arc(64.14,57.73) 64.14,57.7 64.14,55.35 arc(64.27,54.69) 64.64,54.13 arc(65.02,53.56) 65.15,52.9 65.15,48.95 arc(65.3,48.22) 65.71,47.6 arc(66.12,46.98) 66.27,46.25 66.27,45.44 arc(66.01,44.13) 65.27,43.01 arc(64.52,41.9) 64.26,40.59 64.26,38 arc(63.98,36.59) 63.18,35.39 D46.1
Net-(D48-A): length 7.8
  Bottom w0.2: D48.2 63.18,44.01 arc(62.48,42.95) 62.23,41.71 D49.1
Net-(D49-A): length 5.2
  Bottom w0.2: D50.1 61.32,47 arc(61.99,48) 62.23,49.19 D49.2
Net-(D50-A): length 44.6
  Bottom w0.2: D50.2 60.3,58.96 arc(60.35,59.23) 60.5,59.46 60.87,59.82 arc(61.29,60.46) 61.44,61.2 61.44,61.91 arc(61.16,63.31) 60.37,64.49 60.2,64.67 arc(59.28,66.05) 58.95,67.67 58.95,68.33 arc(59.37,70.42) 60.55,72.18 60.58,72.22 arc(61.76,73.98) 62.18,76.06 Q8.2 62.18,94.72 arc(62.18,94.76) 62.2,94.79 arc(62.21,94.81) 62.2,94.84 R29.2
Net-(D51-K): length 77.8
  Bottom w0.2: R31.1 67.64,101.35 arc(67.91,99.97) 68.7,98.8 D52.1 72.26,95.23 arc(73.44,93.47) 73.85,91.38 C14.2 73.33,84 arc(72.93,83.42) 72.8,82.73 72.8,75.2 arc(72.66,74.5) 72.26,73.91 arc(71.87,73.32) 71.73,72.63 D53.1 71.73,58.02 arc(72.01,56.63) 72.8,55.45 arc(73.59,54.27) 73.86,52.87 73.86,50.46 arc(73.61,49.2) 72.9,48.13 arc(72.18,47.06) 71.93,45.8 71.93,38.56 arc(71.67,37.22) 70.9,36.08 70.12,35.29 arc(69.94,35.03) 69.88,34.71 D51.1
Net-(D53-A): length 10.3
  Bottom w0.2: D53.2 70.79,48.97 arc(70.09,47.93) 69.85,46.7 D54.1
Net-(D54-A): length 2.8
  Bottom w0.2: D55.1 67.87,54.94 arc(67.89,54.94) 67.91,54.92 D54.2
Net-(D55-A): length 36.3
  Bottom w0.2: D55.2 67.84,70.56 arc(68.12,71.97) 68.92,73.16 arc(69.72,74.36) 70,75.77 70,78.63 arc(69.59,80.71) 68.41,82.48 66.64,84.24 arc(66.43,84.56) 66.35,84.94 arc(66.43,85.32) 66.64,85.64 67.93,86.93 arc(69.09,88.67) 69.5,90.73 Q9.2 65.72,97.55 arc(65.36,98.09) 65.24,98.73 R32.2
Net-(D56-K): length 80.3
  Bottom w0.2: D56.1 78.66,35.48 arc(79.51,36.75) 79.81,38.24 79.81,42.61 arc(80.02,43.68) 80.62,44.58 arc(81.22,45.48) 81.43,46.54 81.43,51.13 arc(81.21,52.26) 80.57,53.21 arc(79.93,54.17) 79.71,55.3 D58.1 80.75,59.18 arc(81.52,60.34) 81.79,61.7 81.79,61.73 arc(81.51,63.13) 80.72,64.31 78.56,66.47 arc(78.21,67.01) 78.08,67.64 C15.2 78.08,69.51 arc(78.3,70.6) 78.91,71.52 80.57,73.18 arc(81.64,74.78) 82.02,76.67 arc(81.64,78.56) 80.57,80.16 80.36,80.37 arc(79.18,82.14) 78.77,84.22 78.77,95.46 arc(78.59,96.33) 78.1,97.07 D57.1 76.41,98.76 arc(75.65,99.89) 75.39,101.23 R34.1
Net-(D58-A): length 8.6
  Bottom w0.2: D58.2 78.56,44.3 arc(77.72,43.03) 77.42,41.54 D59.1
Net-(D59-A): length 5.3
  Bottom w0.2: D60.1 75.54,47.11 arc(75.78,48.34) 76.48,49.38 77.42,50.32
Net-(D60-A): length 46.5
  Bottom w0.2: R35.2 75.93,96.33 arc(77.11,94.57) 77.52,92.48 Q10.2 77.52,76.3 arc(77.11,74.21) 75.93,72.45 75.56,72.08 arc(74.59,70.62) 74.24,68.9 74.24,68.34 arc(74.49,67.13) 75.17,66.1 76.08,65.19 arc(76.1,65.18) 76.12,65.18 arc(76.14,65.17) 76.15,65.15 76.15,60.84 ; D60.2 75.54,59.57 arc(75.62,59.97) 75.84,60.31 76.07,60.54 arc(76.13,60.62) 76.15,60.72 76.15,60.83 ; 76.15,60.83 76.15,60.84 ; 76.15,60.83 arc(76.15,60.83) 76.15,60.83 ; 76.15,60.84 arc(76.15,60.83) 76.15,60.83 ; C15.1 76.16,60.83 arc(76.16,60.83) 76.15,60.83
Net-(D61-K): length 77.5
  Bottom w0.2: D61.1 86.21,35.46 arc(87,36.64) 87.27,38.03 87.27,45.46 arc(87.53,46.76) 88.27,47.85 arc(89,48.95) 89.26,50.25 89.26,52.93 arc(88.99,54.27) 88.23,55.41 arc(87.47,56.55) 87.2,57.89 D63.1 87.2,70.19 arc(87.42,71.31) 88.05,72.25 arc(88.68,73.2) 88.91,74.32 C16.2 88.91,91.69 arc(88.49,93.77) 87.31,95.53 D62.1 84.1,98.75 arc(83.35,99.87) 83.08,101.2 R37.1
Net-(D63-A): length 10
  Bottom w0.2: D64.1 85.48,40.78 arc(85.79,41.24) 85.9,41.79 85.9,47.47 arc(86.07,48.32) 86.55,49.03 D63.2
Net-(D64-A): length 2.7
  Bottom w0.2: D64.2 83.17,54.96 arc(83.16,54.97) 83.16,54.98 D65.1
Net-(D65-A): length 36.2
  Bottom w0.2: D65.2 83.16,70.85 arc(83.38,71.94) 84,72.87 arc(84.62,73.8) 84.84,74.9 84.84,79.15 arc(84.42,81.24) 83.24,83 C16.1 83.15,86.58 arc(84.33,88.34) 84.74,90.42 Q11.2 80.93,97.58 arc(80.58,98.11) 80.45,98.74 R38.2
Net-(D66-K): length 80.6
  Bottom w0.2: D66.1 93.83,35.31 arc(94.52,36.35) 94.77,37.57 94.77,39.34 arc(95.02,40.63) 95.76,41.73 arc(96.49,42.83) 96.75,44.12 96.75,45.51 arc(96.64,46.06) 96.33,46.52 arc(96.02,46.98) 95.91,47.53 95.91,52.71 arc(95.79,53.29) 95.47,53.78 arc(95.14,54.28) 95.02,54.86 D68.1 95.95,58.69 arc(96.63,59.71) 96.88,60.92 96.88,61.76 arc(96.48,63.75) 95.36,65.43 C17.2 92.91,69.37 arc(93.19,70.75) 93.97,71.92 95.96,73.91 arc(97.13,75.66) 97.54,77.72 97.54,77.77 arc(97.13,79.79) 95.99,81.51 arc(94.84,83.22) 94.44,85.25 94.44,94.92 arc(94.22,96) 93.61,96.91 D67.1 91.72,98.81 arc(90.93,99.99) 90.65,101.38 R40.1
Net-(D68-A): length 8
  Bottom w0.2: D68.2 93.84,43.88 arc(92.97,42.57) 92.66,41.03 D69.1
Net-(D69-A): length 5.4
  Bottom w0.2: D70.1 91.78,46.62 arc(92.43,47.59) 92.66,48.74 D69.2
Net-(D70-A): length 45.4
  Bottom w0.2: 90.91,58.45 92.81,60.35 arc(92.84,60.37) 92.88,60.38 arc(92.9,60.39) 92.91,60.41 92.91,61.52 arc(92.7,62.57) 92.11,63.47 91.35,64.22 arc(90.2,65.95) 89.79,68 89.79,68.21 arc(90.19,70.22) 91.33,71.92 arc(92.47,73.63) 92.87,75.64 Q12.2 92.87,92.35 arc(92.45,94.44) 91.28,96.2 R41.2

## Text on the board
Bottom: DECISION | VersaLOGIC | LR312
